# Altium PCB ir-24v-shit5-7-v2.PcbDoc (part 4 of 5) (continued)
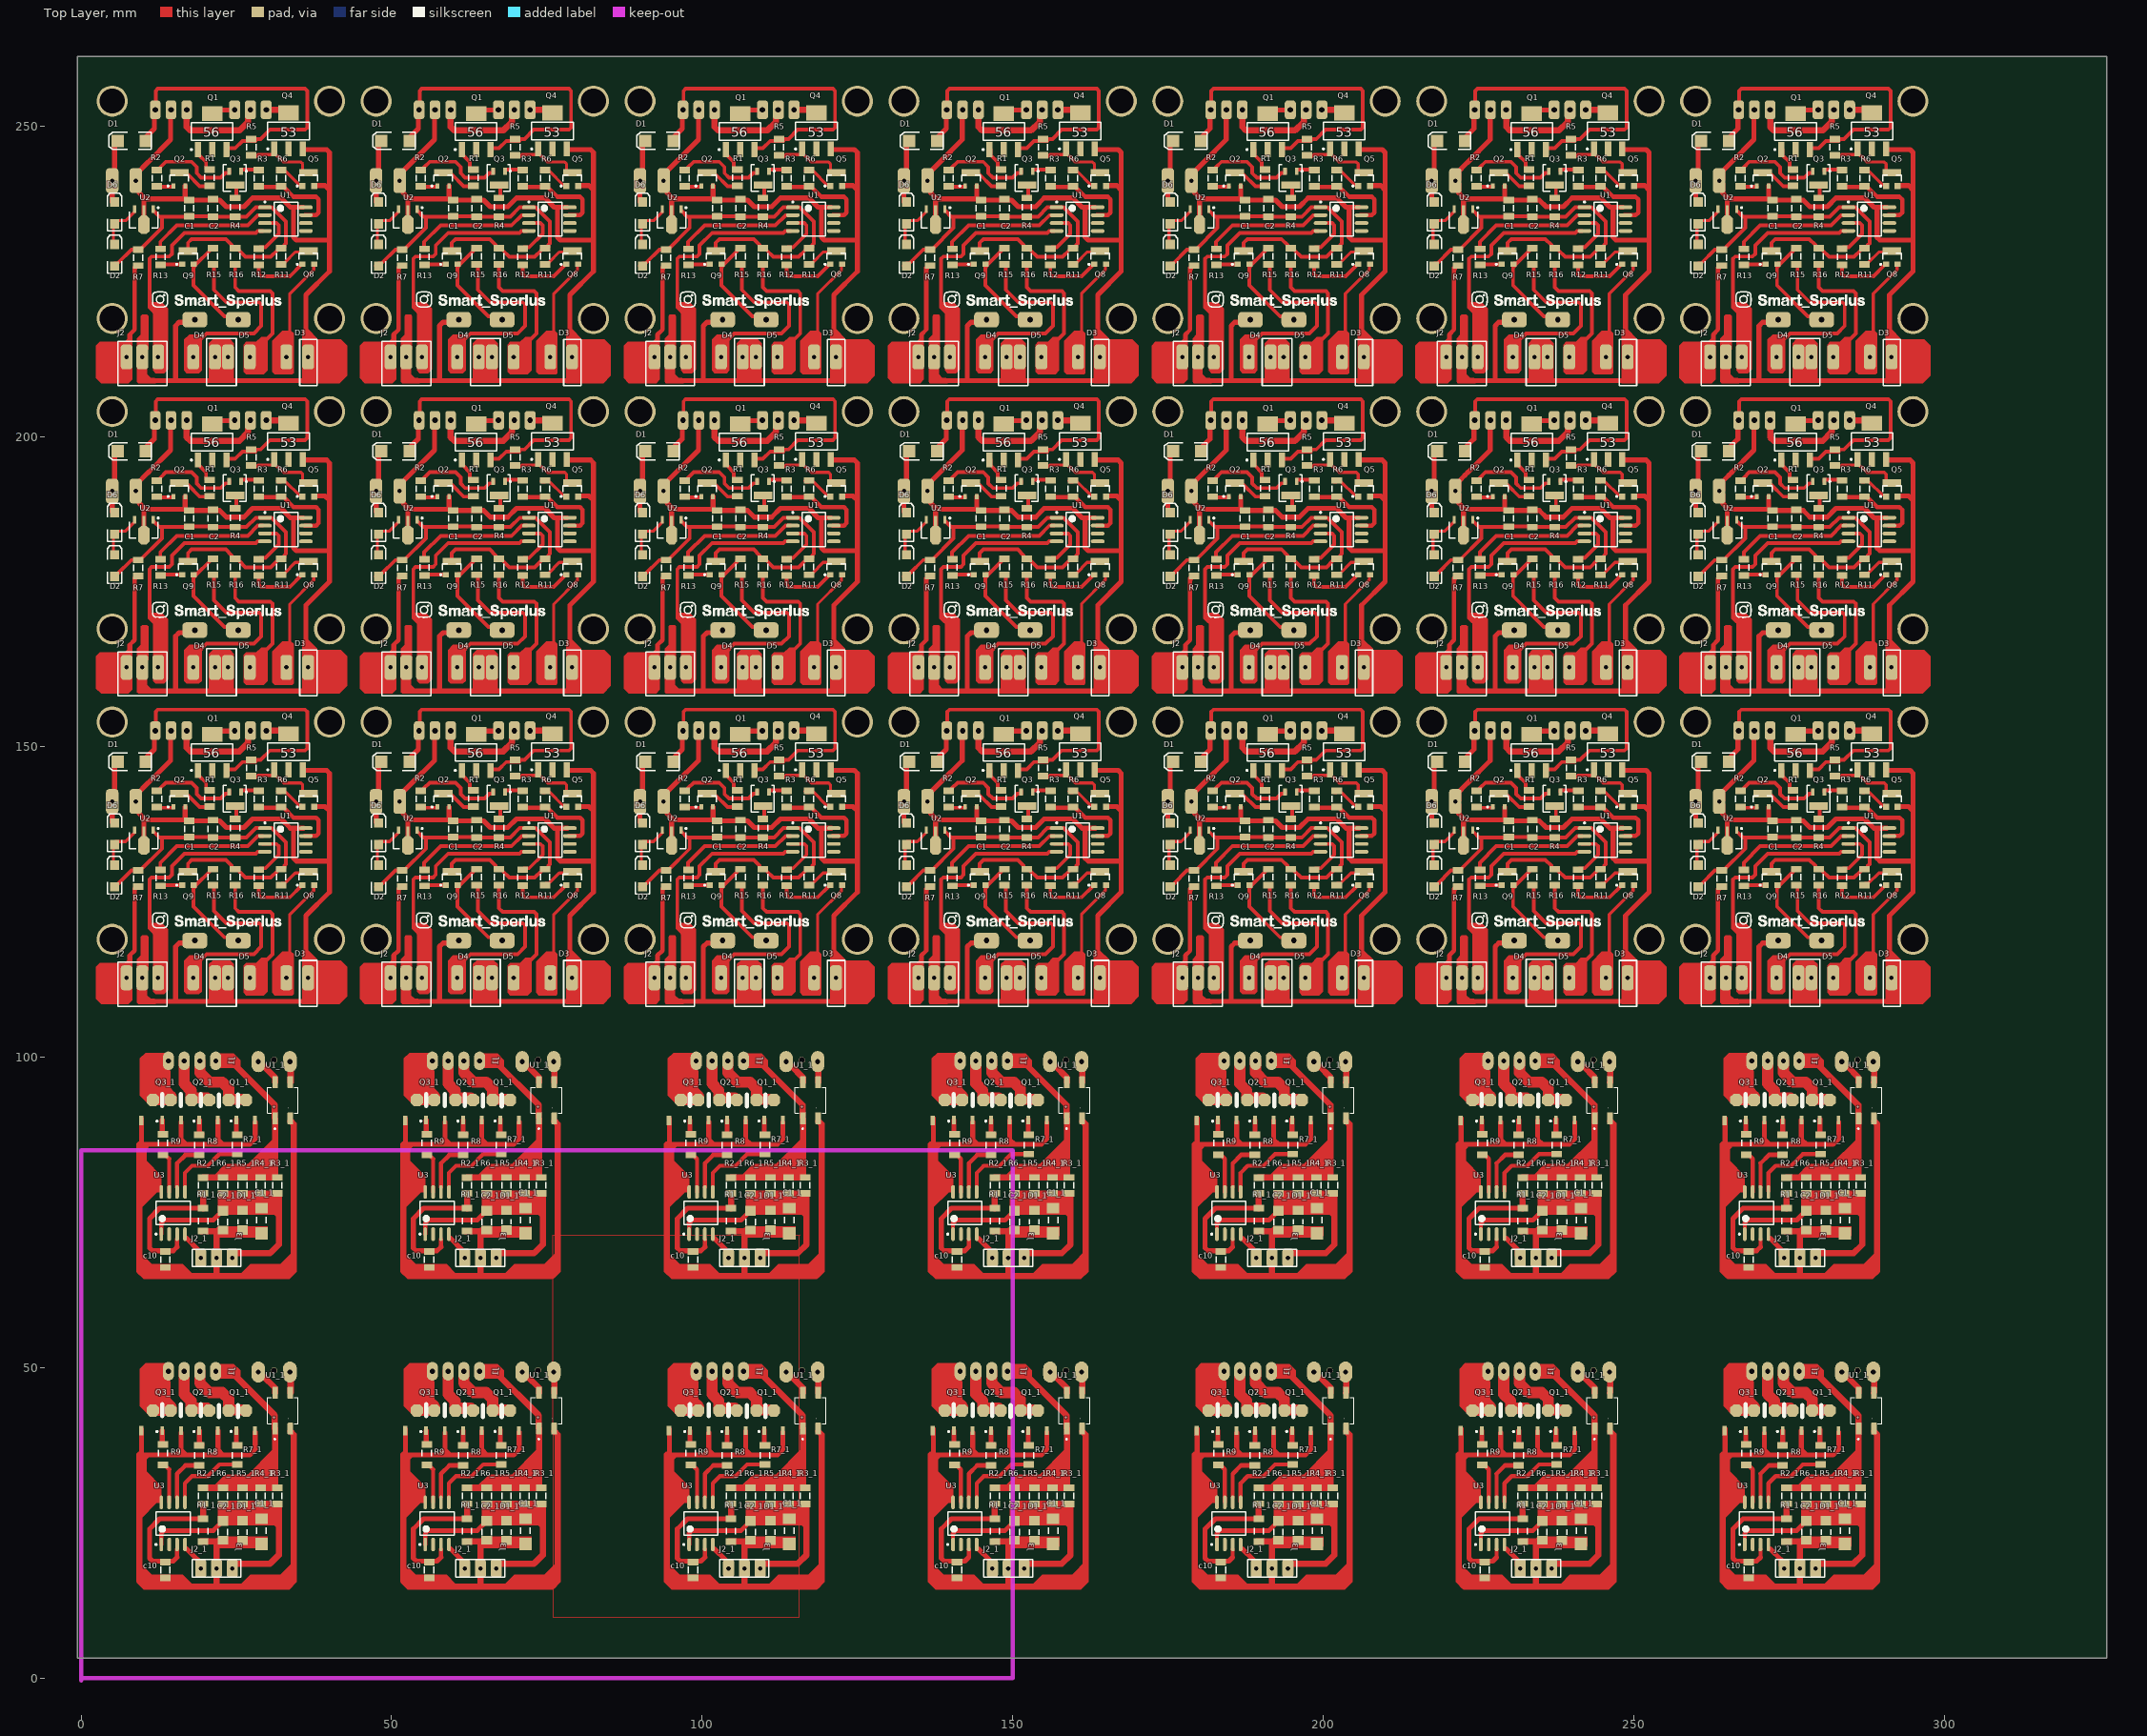
[diagram p0: Top Layer view]
## Nets (pads, with @x,y where several pads share a name; then routed paths per layer and width w, separated by ;. In a path a pad name is that pad's centre, name@x,y a point inside that pad or via, vN(x,y) a via of type N, cw(c..) or ccw(c..) an arc to the next point about the centre after c; other vN are vias at no path point) (continued)
  Top Layer w0.8: 5,137.792 5,141.2 5.4,141.6 5.4,147.15 5.65,147.4 ; 5,187.792 5,191.2 5.4,191.6 5.4,197.15 5.65,197.4 ; 5,237.792 5,241.2 5.4,241.6 5.4,247.15 5.65,247.4 ; 8.8,141.2 9.338,140.662 9.338,139.262 10.2,138.4 ; 8.8,191.2 9.338,190.662 9.338,189.262 10.2,188.4 ; 8.8,241.2 9.338,240.662 9.338,239.262 10.2,238.4 ; 9.2,141.2 9.365,141.365 9.365,142.765 10.35,143.75 10.35,143.752 10.819,144.22 10.82,144.22 14.4,147.8 14.4,152.007 ; 9.2,191.2 9.365,191.365 9.365,192.765 10.35,193.75 10.35,193.752 10.819,194.22 10.82,194.22 14.4,197.8 14.4,202.007 ; 9.2,241.2 9.365,241.365 9.365,242.765 10.35,243.75 10.35,243.752 10.819,244.22 10.82,244.22 14.4,247.8 14.4,252.007 ; 9.352,28.602 12.608,28.602 ; 9.352,35.963 9.733,35.963 ; 9.352,78.602 12.608,78.602 ; 9.352,85.963 9.733,85.963 ; 9.733,40.159 9.733,35.963 ; 9.733,90.159 9.733,85.963 ; 9.86,112 9.86,109.469 10.329,109 15.2,109 ; 9.86,162 9.86,159.469 10.329,159 15.2,159 ; 9.86,212 9.86,209.469 10.329,209 15.2,209 ; 10.1,134.8 10.1,136.4 10.1,138.257 16.888,138.257 ; 10.1,184.8 10.1,186.4 10.1,188.257 16.888,188.257 ; 10.1,234.8 10.1,236.4 10.1,238.257 16.888,238.257 ; 10.2,147.4 10.2,148 11.8,149.6 11.8,152.598 ; 10.2,197.4 10.2,198 11.8,199.6 11.8,202.598 ; 10.2,247.4 10.2,248 11.8,249.6 11.8,252.598 ; 13.059,39.872 13.059,37.744 13.184,37.619 13.423,37.619 ; 13.059,89.872 13.059,87.744 13.184,87.619 13.423,87.619 ; 15.448,19.458 14.813,18.823 11.472,18.823 11.003,19.292 11.003,24.03 12.654,25.681 19.639,25.681 ; 15.448,69.458 14.813,68.823 11.472,68.823 11.003,69.292 11.003,74.03 12.654,75.681 19.639,75.681 ; 16.083,39.572 16.083,36.432 16.552,35.963 ; 16.083,89.572 16.083,86.432 16.552,85.963 ; 16.2,118.4 15.792,118.4 15.2,117.808 15.2,109 ; 16.2,168.4 15.792,168.4 15.2,167.808 15.2,159 ; 16.2,218.4 15.792,218.4 15.2,217.808 15.2,209 ; 16.75,140.325 16.75,138.395 16.888,138.257 ; 16.75,190.325 16.75,188.395 16.888,188.257 ; 16.75,240.325 16.75,238.395 16.888,238.257 ; 16.972,20.855 18.796,19.031 18.796,18.142 19.258,17.68 ; 16.972,70.855 18.796,69.031 18.796,68.142 19.258,67.68 ; 19.028,39.872 19.028,37.744 19.153,37.619 19.441,37.619 ; 19.028,89.872 19.028,87.744 19.153,87.619 19.441,87.619 ; 19.8,138.07 17.4,138.07 17.075,138.07 16.888,138.257 ; 19.8,138.075 22.325,138.075 23.4,137 26.2,137 27.6,138.4 32.2,138.4 33.695,136.905 34.4,136.905 ; 19.8,188.07 17.4,188.07 17.075,188.07 16.888,188.257 ; 19.8,188.075 22.325,188.075 23.4,187 26.2,187 27.6,188.4 32.2,188.4 33.695,186.905 34.4,186.905 ; 19.8,238.07 17.4,238.07 17.075,238.07 16.888,238.257 ; 19.8,238.075 22.325,238.075 23.4,237 26.2,237 27.6,238.4 32.2,238.4 33.695,236.905 34.4,236.905 ; 19.95,152.55 24.57,152.55 24.72,152.4 ; 19.95,202.55 24.57,202.55 24.72,202.4 ; 19.95,252.55 24.57,252.55 24.72,252.4 ; 21.55,113.4 22.6,113.4 ; 21.55,163.4 22.6,163.4 ; 21.55,213.4 22.6,213.4 ; 22.028,39.872 22.028,35.963 ; 22.028,89.872 22.028,85.963 ; 22.306,35.963 22.028,35.963 ; 22.306,35.967 27.131,35.967 28.021,36.857 28.021,39.583 ; 22.306,85.963 22.028,85.963 ; 22.306,85.967 27.131,85.967 28.021,86.857 28.021,89.583 ; 23.65,113.4 22.6,113.4 ; 23.65,163.4 22.6,163.4 ; 23.65,213.4 22.6,213.4 ; 24.997,39.999 24.997,37.617 25.122,37.492 25.163,37.492 ; 24.997,89.999 24.997,87.617 25.122,87.492 25.163,87.492 ; 35.712,146.2 39.531,146.2 40,145.731 40,139.675 ; 35.712,196.2 39.531,196.2 40,195.731 40,189.675 ; 35.712,246.2 39.531,246.2 40,245.731 40,239.675 ; 35.8,136.905 34.4,136.905 ; 35.8,186.905 34.4,186.905 ; 35.8,236.905 34.4,236.905 ; 37.55,140.4 39.275,140.4 40,139.675 ; 37.55,190.4 39.275,190.4 40,189.675 ; 37.55,240.4 39.275,240.4 40,239.675 ; 47.5,137.792 47.5,141.2 47.9,141.6 47.9,147.15 48.15,147.4 ; 47.5,187.792 47.5,191.2 47.9,191.6 47.9,197.15 48.15,197.4 ; 47.5,237.792 47.5,241.2 47.9,241.6 47.9,247.15 48.15,247.4 ; 51.3,141.2 51.838,140.662 51.838,139.262 52.7,138.4 ; 51.3,191.2 51.838,190.662 51.838,189.262 52.7,188.4 ; 51.3,241.2 51.838,240.662 51.838,239.262 52.7,238.4 ; 51.7,141.2 51.865,141.365 51.865,142.765 52.85,143.75 52.85,143.752 53.319,144.22 53.32,144.22 56.9,147.8 56.9,152.007 ; 51.7,191.2 51.865,191.365 51.865,192.765 52.85,193.75 52.85,193.752 53.319,194.22 53.32,194.22 56.9,197.8 56.9,202.007 ; 51.7,241.2 51.865,241.365 51.865,242.765 52.85,243.75 52.85,243.752 53.319,244.22 53.32,244.22 56.9,247.8 56.9,252.007 ; 51.852,28.602 55.108,28.602 ; 51.852,35.963 52.233,35.963 ; 51.852,78.602 55.108,78.602 ; 51.852,85.963 52.233,85.963 ; 52.233,40.159 52.233,35.963 ; 52.233,90.159 52.233,85.963 ; 52.36,112 52.36,109.469 52.829,109 57.7,109 ; 52.36,162 52.36,159.469 52.829,159 57.7,159 ; 52.36,212 52.36,209.469 52.829,209 57.7,209 ; 52.6,134.8 52.6,136.4 52.6,138.257 59.388,138.257 ; 52.6,184.8 52.6,186.4 52.6,188.257 59.388,188.257 ; 52.6,234.8 52.6,236.4 52.6,238.257 59.388,238.257 ; 52.7,147.4 52.7,148 54.3,149.6 54.3,152.598 ; 52.7,197.4 52.7,198 54.3,199.6 54.3,202.598 ; 52.7,247.4 52.7,248 54.3,249.6 54.3,252.598 ; 55.559,39.872 55.559,37.744 55.684,37.619 55.923,37.619 ; 55.559,89.872 55.559,87.744 55.684,87.619 55.923,87.619 ; 57.948,19.458 57.313,18.823 53.972,18.823 53.503,19.292 53.503,24.03 55.154,25.681 62.139,25.681 ; 57.948,69.458 57.313,68.823 53.972,68.823 53.503,69.292 53.503,74.03 55.154,75.681 62.139,75.681 ; 58.583,39.572 58.583,36.432 59.052,35.963 ; 58.583,89.572 58.583,86.432 59.052,85.963 ; 58.7,118.4 58.292,118.4 57.7,117.808 57.7,109 ; 58.7,168.4 58.292,168.4 57.7,167.808 57.7,159 ; 58.7,218.4 58.292,218.4 57.7,217.808 57.7,209 ; 59.25,140.325 59.25,138.395 59.388,138.257 ; 59.25,190.325 59.25,188.395 59.388,188.257 ; 59.25,240.325 59.25,238.395 59.388,238.257 ; 59.472,20.855 61.296,19.031 61.296,18.142 61.758,17.68 ; 59.472,70.855 61.296,69.031 61.296,68.142 61.758,67.68 ; 61.528,39.872 61.528,37.744 61.653,37.619 61.941,37.619 ; 61.528,89.872 61.528,87.744 61.653,87.619 61.941,87.619 ; 62.3,138.07 59.9,138.07 59.575,138.07 59.388,138.257 ; 62.3,138.075 64.825,138.075 65.9,137 68.7,137 70.1,138.4 74.7,138.4 76.195,136.905 76.9,136.905 ; 62.3,188.07 59.9,188.07 59.575,188.07 59.388,188.257 ; 62.3,188.075 64.825,188.075 65.9,187 68.7,187 70.1,188.4 74.7,188.4 76.195,186.905 76.9,186.905 ; 62.3,238.07 59.9,238.07 59.575,238.07 59.388,238.257 ; 62.3,238.075 64.825,238.075 65.9,237 68.7,237 70.1,238.4 74.7,238.4 76.195,236.905 76.9,236.905 ; 62.45,152.55 67.07,152.55 67.22,152.4 ; 62.45,202.55 67.07,202.55 67.22,202.4 ; 62.45,252.55 67.07,252.55 67.22,252.4 ; 64.05,113.4 65.1,113.4 ; 64.05,163.4 65.1,163.4 ; 64.05,213.4 65.1,213.4 ; 64.528,39.872 64.528,35.963 ; 64.528,89.872 64.528,85.963 ; 64.806,35.963 64.528,35.963 ; 64.806,35.967 69.631,35.967 70.521,36.857 70.521,39.583 ; 64.806,85.963 64.528,85.963 ; 64.806,85.967 69.631,85.967 70.521,86.857 70.521,89.583 ; 66.15,113.4 65.1,113.4 ; 66.15,163.4 65.1,163.4 ; 66.15,213.4 65.1,213.4 ; 67.497,39.999 67.497,37.617 67.622,37.492 67.663,37.492 ; 67.497,89.999 67.497,87.617 67.622,87.492 67.663,87.492 ; 78.212,146.2 82.031,146.2 82.5,145.731 82.5,139.675 ; 78.212,196.2 82.031,196.2 82.5,195.731 82.5,189.675 ; 78.212,246.2 82.031,246.2 82.5,245.731 82.5,239.675 ; 78.3,136.905 76.9,136.905 ; 78.3,186.905 76.9,186.905 ; 78.3,236.905 76.9,236.905 ; 80.05,140.4 81.775,140.4 82.5,139.675 ; 80.05,190.4 81.775,190.4 82.5,189.675 ; 80.05,240.4 81.775,240.4 82.5,239.675 ; 90,137.792 90,141.2 90.4,141.6 90.4,147.15 90.65,147.4 ; 90,187.792 90,191.2 90.4,191.6 90.4,197.15 90.65,197.4 ; 90,237.792 90,241.2 90.4,241.6 90.4,247.15 90.65,247.4 ; 93.8,141.2 94.338,140.662 94.338,139.262 95.2,138.4 ; 93.8,191.2 94.338,190.662 94.338,189.262 95.2,188.4 ; 93.8,241.2 94.338,240.662 94.338,239.262 95.2,238.4 ; 94.2,141.2 94.365,141.365 94.365,142.765 95.35,143.75 95.35,143.752 95.819,144.22 95.82,144.22 99.4,147.8 99.4,152.007 ; 94.2,191.2 94.365,191.365 94.365,192.765 95.35,193.75 95.35,193.752 95.819,194.22 95.82,194.22 99.4,197.8 99.4,202.007 ; 94.2,241.2 94.365,241.365 94.365,242.765 95.35,243.75 95.35,243.752 95.819,244.22 95.82,244.22 99.4,247.8 99.4,252.007 ; 94.352,28.602 97.608,28.602 ; 94.352,35.963 94.733,35.963 ; 94.352,78.602 97.608,78.602 ; 94.352,85.963 94.733,85.963 ; 94.733,40.159 94.733,35.963 ; 94.733,90.159 94.733,85.963 ; 94.86,112 94.86,109.469 95.329,109 100.2,109 ; 94.86,162 94.86,159.469 95.329,159 100.2,159 ; 94.86,212 94.86,209.469 95.329,209 100.2,209 ; 95.1,134.8 95.1,136.4 95.1,138.257 101.888,138.257 ; 95.1,184.8 95.1,186.4 95.1,188.257 101.888,188.257 ; 95.1,234.8 95.1,236.4 95.1,238.257 101.888,238.257 ; 95.2,147.4 95.2,148 96.8,149.6 96.8,152.598 ; 95.2,197.4 95.2,198 96.8,199.6 96.8,202.598 ; 95.2,247.4 95.2,248 96.8,249.6 96.8,252.598 ; 98.059,39.872 98.059,37.744 98.184,37.619 98.423,37.619 ; 98.059,89.872 98.059,87.744 98.184,87.619 98.423,87.619 ; 100.448,19.458 99.813,18.823 96.472,18.823 96.003,19.292 96.003,24.03 97.654,25.681 104.639,25.681 ; 100.448,69.458 99.813,68.823 96.472,68.823 96.003,69.292 96.003,74.03 97.654,75.681 104.639,75.681 ; 101.083,39.572 101.083,36.432 101.552,35.963 ; 101.083,89.572 101.083,86.432 101.552,85.963 ; 101.2,118.4 100.792,118.4 100.2,117.808 100.2,109 ; 101.2,168.4 100.792,168.4 100.2,167.808 100.2,159 ; 101.2,218.4 100.792,218.4 100.2,217.808 100.2,209 ; 101.75,140.325 101.75,138.395 101.888,138.257 ; 101.75,190.325 101.75,188.395 101.888,188.257 ; 101.75,240.325 101.75,238.395 101.888,238.257 ; 101.972,20.855 103.796,19.031 103.796,18.142 104.258,17.68 ; 101.972,70.855 103.796,69.031 103.796,68.142 104.258,67.68 ; 104.028,39.872 104.028,37.744 104.153,37.619 104.441,37.619 ; 104.028,89.872 104.028,87.744 104.153,87.619 104.441,87.619 ; 104.8,138.07 102.4,138.07 102.075,138.07 101.888,138.257 ; 104.8,138.075 107.325,138.075 108.4,137 111.2,137 112.6,138.4 117.2,138.4 118.695,136.905 119.4,136.905 ; 104.8,188.07 102.4,188.07 102.075,188.07 101.888,188.257 ; 104.8,188.075 107.325,188.075 108.4,187 111.2,187 112.6,188.4 117.2,188.4 118.695,186.905 119.4,186.905 ; 104.8,238.07 102.4,238.07 102.075,238.07 101.888,238.257 ; 104.8,238.075 107.325,238.075 108.4,237 111.2,237 112.6,238.4 117.2,238.4 118.695,236.905 119.4,236.905 ; 104.95,152.55 109.57,152.55 109.72,152.4 ; 104.95,202.55 109.57,202.55 109.72,202.4 ; 104.95,252.55 109.57,252.55 109.72,252.4 ; 106.55,113.4 107.6,113.4 ; 106.55,163.4 107.6,163.4 ; 106.55,213.4 107.6,213.4 ; 107.028,39.872 107.028,35.963 ; 107.028,89.872 107.028,85.963 ; 107.306,35.963 107.028,35.963 ; 107.306,35.967 112.131,35.967 113.021,36.857 113.021,39.583 ; 107.306,85.963 107.028,85.963 ; 107.306,85.967 112.131,85.967 113.021,86.857 113.021,89.583 ; 108.65,113.4 107.6,113.4 ; 108.65,163.4 107.6,163.4 ; 108.65,213.4 107.6,213.4 ; 109.997,39.999 109.997,37.617 110.122,37.492 110.163,37.492 ; 109.997,89.999 109.997,87.617 110.122,87.492 110.163,87.492 ; 120.712,146.2 124.531,146.2 125,145.731 125,139.675 ; 120.712,196.2 124.531,196.2 125,195.731 125,189.675 ; 120.712,246.2 124.531,246.2 125,245.731 125,239.675 ; 120.8,136.905 119.4,136.905 ; 120.8,186.905 119.4,186.905 ; 120.8,236.905 119.4,236.905 ; 122.55,140.4 124.275,140.4 125,139.675 ; 122.55,190.4 124.275,190.4 125,189.675 ; 122.55,240.4 124.275,240.4 125,239.675 ; 132.5,137.792 132.5,141.2 132.9,141.6 132.9,147.15 133.15,147.4 ; 132.5,187.792 132.5,191.2 132.9,191.6 132.9,197.15 133.15,197.4 ; 132.5,237.792 132.5,241.2 132.9,241.6 132.9,247.15 133.15,247.4 ; 136.3,141.2 136.838,140.662 136.838,139.262 137.7,138.4 ; 136.3,191.2 136.838,190.662 136.838,189.262 137.7,188.4 ; 136.3,241.2 136.838,240.662 136.838,239.262 137.7,238.4 ; 136.7,141.2 136.865,141.365 136.865,142.765 137.85,143.75 137.85,143.752 138.319,144.22 138.32,144.22 141.9,147.8 141.9,152.007 ; 136.7,191.2 136.865,191.365 136.865,192.765 137.85,193.75 137.85,193.752 138.319,194.22 138.32,194.22 141.9,197.8 141.9,202.007 ; 136.7,241.2 136.865,241.365 136.865,242.765 137.85,243.75 137.85,243.752 138.319,244.22 138.32,244.22 141.9,247.8 141.9,252.007 ; 136.852,28.602 140.108,28.602 ; 136.852,35.963 137.233,35.963 ; 136.852,78.602 140.108,78.602 ; 136.852,85.963 137.233,85.963 ; 137.233,40.159 137.233,35.963 ; 137.233,90.159 137.233,85.963 ; 137.36,112 137.36,109.469 137.829,109 142.7,109 ; 137.36,162 137.36,159.469 137.829,159 142.7,159 ; 137.36,212 137.36,209.469 137.829,209 142.7,209 ; 137.6,134.8 137.6,136.4 137.6,138.257 144.388,138.257 ; 137.6,184.8 137.6,186.4 137.6,188.257 144.388,188.257 ; 137.6,234.8 137.6,236.4 137.6,238.257 144.388,238.257 ; 137.7,147.4 137.7,148 139.3,149.6 139.3,152.598 ; 137.7,197.4 137.7,198 139.3,199.6 139.3,202.598 ; 137.7,247.4 137.7,248 139.3,249.6 139.3,252.598 ; 140.559,39.872 140.559,37.744 140.684,37.619 140.923,37.619 ; 140.559,89.872 140.559,87.744 140.684,87.619 140.923,87.619 ; 142.948,19.458 142.313,18.823 138.972,18.823 138.503,19.292 138.503,24.03 140.154,25.681 147.139,25.681 ; 142.948,69.458 142.313,68.823 138.972,68.823 138.503,69.292 138.503,74.03 140.154,75.681 147.139,75.681 ; 143.583,39.572 143.583,36.432 144.052,35.963 ; 143.583,89.572 143.583,86.432 144.052,85.963 ; 143.7,118.4 143.292,118.4 142.7,117.808 142.7,109 ; 143.7,168.4 143.292,168.4 142.7,167.808 142.7,159 ; 143.7,218.4 143.292,218.4 142.7,217.808 142.7,209 ; 144.25,140.325 144.25,138.395 144.388,138.257 ; 144.25,190.325 144.25,188.395 144.388,188.257 ; 144.25,240.325 144.25,238.395 144.388,238.257 ; 144.472,20.855 146.296,19.031 146.296,18.142 146.758,17.68 ; 144.472,70.855 146.296,69.031 146.296,68.142 146.758,67.68 ; 146.528,39.872 146.528,37.744 146.653,37.619 146.941,37.619 ; 146.528,89.872 146.528,87.744 146.653,87.619 146.941,87.619 ; 147.3,138.07 144.9,138.07 144.575,138.07 144.388,138.257 ; 147.3,138.075 149.825,138.075 150.9,137 153.7,137 155.1,138.4 159.7,138.4 161.195,136.905 161.9,136.905 ; 147.3,188.07 144.9,188.07 144.575,188.07 144.388,188.257 ; 147.3,188.075 149.825,188.075 150.9,187 153.7,187 155.1,188.4 159.7,188.4 161.195,186.905 161.9,186.905 ; 147.3,238.07 144.9,238.07 144.575,238.07 144.388,238.257 ; 147.3,238.075 149.825,238.075 150.9,237 153.7,237 155.1,238.4 159.7,238.4 161.195,236.905 161.9,236.905 ; 147.45,152.55 152.07,152.55 152.22,152.4 ; 147.45,202.55 152.07,202.55 152.22,202.4 ; 147.45,252.55 152.07,252.55 152.22,252.4 ; 149.05,113.4 150.1,113.4 ; 149.05,163.4 150.1,163.4 ; 149.05,213.4 150.1,213.4 ; 149.528,39.872 149.528,35.963 ; 149.528,89.872 149.528,85.963 ; 149.806,35.963 149.528,35.963 ; 149.806,35.967 154.631,35.967 155.521,36.857 155.521,39.583 ; 149.806,85.963 149.528,85.963 ; 149.806,85.967 154.631,85.967 155.521,86.857 155.521,89.583 ; 151.15,113.4 150.1,113.4 ; 151.15,163.4 150.1,163.4 ; 151.15,213.4 150.1,213.4 ; 152.497,39.999 152.497,37.617 152.622,37.492 152.664,37.492 ; 152.497,89.999 152.497,87.617 152.622,87.492 152.664,87.492 ; 163.212,146.2 167.031,146.2 167.5,145.731 167.5,139.675 ; 163.212,196.2 167.031,196.2 167.5,195.731 167.5,189.675 ; 163.212,246.2 167.031,246.2 167.5,245.731 167.5,239.675 ; 163.3,136.905 161.9,136.905 ; 163.3,186.905 161.9,186.905 ; 163.3,236.905 161.9,236.905 ; 165.05,140.4 166.775,140.4 167.5,139.675 ; 165.05,190.4 166.775,190.4 167.5,189.675 ; 165.05,240.4 166.775,240.4 167.5,239.675 ; 175,137.792 175,141.2 175.4,141.6 175.4,147.15 175.65,147.4 ; 175,187.792 175,191.2 175.4,191.6 175.4,197.15 175.65,197.4 ; 175,237.792 175,241.2 175.4,241.6 175.4,247.15 175.65,247.4 ; 178.8,141.2 179.338,140.662 179.338,139.262 180.2,138.4 ; 178.8,191.2 179.338,190.662 179.338,189.262 180.2,188.4 ; 178.8,241.2 179.338,240.662 179.338,239.262 180.2,238.4 ; 179.2,141.2 179.365,141.365 179.365,142.765 180.35,143.75 180.35,143.752 180.819,144.22 180.82,144.22 184.4,147.8 184.4,152.007 ; 179.2,191.2 179.365,191.365 179.365,192.765 180.35,193.75 180.35,193.752 180.819,194.22 180.82,194.22 184.4,197.8 184.4,202.007 ; 179.2,241.2 179.365,241.365 179.365,242.765 180.35,243.75 180.35,243.752 180.819,244.22 180.82,244.22 184.4,247.8 184.4,252.007 ; 179.352,28.602 182.608,28.602 ; 179.352,35.963 179.733,35.963 ; 179.352,78.602 182.608,78.602 ; 179.352,85.963 179.733,85.963 ; 179.733,40.159 179.733,35.963 ; 179.733,90.159 179.733,85.963 ; 179.86,112 179.86,109.469 180.329,109 185.2,109 ; 179.86,162 179.86,159.469 180.329,159 185.2,159 ; 179.86,212 179.86,209.469 180.329,209 185.2,209 ; 180.1,134.8 180.1,136.4 180.1,138.257 186.888,138.257 ; 180.1,184.8 180.1,186.4 180.1,188.257 186.888,188.257 ; 180.1,234.8 180.1,236.4 180.1,238.257 186.888,238.257 ; 180.2,147.4 180.2,148 181.8,149.6 181.8,152.598 ; 180.2,197.4 180.2,198 181.8,199.6 181.8,202.598 ; 180.2,247.4 180.2,248 181.8,249.6 181.8,252.598 ; 183.059,39.872 183.059,37.744 183.184,37.619 183.423,37.619 ; 183.059,89.872 183.059,87.744 183.184,87.619 183.423,87.619 ; 185.448,19.458 184.813,18.823 181.472,18.823 181.003,19.292 181.003,24.03 182.654,25.681 189.639,25.681 ; 185.448,69.458 184.813,68.823 181.472,68.823 181.003,69.292 181.003,74.03 182.654,75.681 189.639,75.681 ; 186.083,39.572 186.083,36.432 186.552,35.963 ; 186.083,89.572 186.083,86.432 186.552,85.963 ; 186.2,118.4 185.792,118.4 185.2,117.808 185.2,109 ; 186.2,168.4 185.792,168.4 185.2,167.808 185.2,159 ; 186.2,218.4 185.792,218.4 185.2,217.808 185.2,209 ; 186.75,140.325 186.75,138.395 186.888,138.257 ; 186.75,190.325 186.75,188.395 186.888,188.257 ; 186.75,240.325 186.75,238.395 186.888,238.257 ; 186.972,20.855 188.796,19.031 188.796,18.142 189.258,17.68 ; 186.972,70.855 188.796,69.031 188.796,68.142 189.258,67.68 ; 189.028,39.872 189.028,37.744 189.153,37.619 189.441,37.619 ; 189.028,89.872 189.028,87.744 189.153,87.619 189.441,87.619 ; 189.8,138.07 187.4,138.07 187.075,138.07 186.888,138.257 ; 189.8,138.075 192.325,138.075 193.4,137 196.2,137 197.6,138.4 202.2,138.4 203.695,136.905 204.4,136.905 ; 189.8,188.07 187.4,188.07 187.075,188.07 186.888,188.257 ; 189.8,188.075 192.325,188.075 193.4,187 196.2,187 197.6,188.4 202.2,188.4 203.695,186.905 204.4,186.905 ; 189.8,238.07 187.4,238.07 187.075,238.07 186.888,238.257 ; 189.8,238.075 192.325,238.075 193.4,237 196.2,237 197.6,238.4 202.2,238.4 203.695,236.905 204.4,236.905 ; 189.95,152.55 194.57,152.55 194.72,152.4 ; 189.95,202.55 194.57,202.55 194.72,202.4 ; 189.95,252.55 194.57,252.55 194.72,252.4 ; 191.55,113.4 192.6,113.4 ; 191.55,163.4 192.6,163.4 ; 191.55,213.4 192.6,213.4 ; 192.028,39.872 192.028,35.963 ; 192.028,89.872 192.028,85.963 ; 192.306,35.963 192.028,35.963 ; 192.306,35.967 197.131,35.967 198.021,36.857 198.021,39.583 ; 192.306,85.963 192.028,85.963 ; 192.306,85.967 197.131,85.967 198.021,86.857 198.021,89.583 ; 193.65,113.4 192.6,113.4 ; 193.65,163.4 192.6,163.4 ; 193.65,213.4 192.6,213.4 ; 194.997,39.999 194.997,37.617 195.122,37.492 195.163,37.492 ; 194.997,89.999 194.997,87.617 195.122,87.492 195.163,87.492 ; 205.712,146.2 209.531,146.2 210,145.731 210,139.675 ; 205.712,196.2 209.531,196.2 210,195.731 210,189.675 ; 205.712,246.2 209.531,246.2 210,245.731 210,239.675 ; 205.8,136.905 204.4,136.905 ; 205.8,186.905 204.4,186.905 ; 205.8,236.905 204.4,236.905 ; 207.55,140.4 209.275,140.4 210,139.675 ; 207.55,190.4 209.275,190.4 210,189.675 ; 207.55,240.4 209.275,240.4 210,239.675 ; 217.5,137.792 217.5,141.2 217.9,141.6 217.9,147.15 218.15,147.4 ; 217.5,187.792 217.5,191.2 217.9,191.6 217.9,197.15 218.15,197.4 ; 217.5,237.792 217.5,241.2 217.9,241.6 217.9,247.15 218.15,247.4 ; 221.3,141.2 221.838,140.662 221.838,139.262 222.7,138.4 ; 221.3,191.2 221.838,190.662 221.838,189.262 222.7,188.4 ; 221.3,241.2 221.838,240.662 221.838,239.262 222.7,238.4 ; 221.7,141.2 221.865,141.365 221.865,142.765 222.85,143.75 222.85,143.752 223.319,144.22 223.32,144.22 226.9,147.8 226.9,152.007 ; 221.7,191.2 221.865,191.365 221.865,192.765 222.85,193.75 222.85,193.752 223.319,194.22 223.32,194.22 226.9,197.8 226.9,202.007 ; 221.7,241.2 221.865,241.365 221.865,242.765 222.85,243.75 222.85,243.752 223.319,244.22 223.32,244.22 226.9,247.8 226.9,252.007 ; 221.852,28.602 225.108,28.602 ; 221.852,35.963 222.233,35.963 ; 221.852,78.602 225.108,78.602 ; 221.852,85.963 222.233,85.963 ; 222.233,40.159 222.233,35.963 ; 222.233,90.159 222.233,85.963 ; 222.36,112 222.36,109.469 222.829,109 227.7,109 ; 222.36,162 222.36,159.469 222.829,159 227.7,159 ; 222.36,212 222.36,209.469 222.829,209 227.7,209 ; 222.6,134.8 222.6,136.4 222.6,138.257 229.388,138.257 ; 222.6,184.8 222.6,186.4 222.6,188.257 229.388,188.257 ; 222.6,234.8 222.6,236.4 222.6,238.257 229.388,238.257 ; 222.7,147.4 222.7,148 224.3,149.6 224.3,152.598 ; 222.7,197.4 222.7,198 224.3,199.6 224.3,202.598 ; 222.7,247.4 222.7,248 224.3,249.6 224.3,252.598 ; 225.559,39.872 225.559,37.744 225.684,37.619 225.923,37.619 ; 225.559,89.872 225.559,87.744 225.684,87.619 225.923,87.619 ; 227.948,19.458 227.313,18.823 223.972,18.823 223.503,19.292 223.503,24.03 225.154,25.681 232.139,25.681 ; 227.948,69.458 227.313,68.823 223.972,68.823 223.503,69.292 223.503,74.03 225.154,75.681 232.139,75.681 ; 228.583,39.572 228.583,36.432 229.052,35.963 ; 228.583,89.572 228.583,86.432 229.052,85.963 ; 228.7,118.4 228.292,118.4 227.7,117.808 227.7,109 ; 228.7,168.4 228.292,168.4 227.7,167.808 227.7,159 ; 228.7,218.4 228.292,218.4 227.7,217.808 227.7,209 ; 229.25,140.325 229.25,138.395 229.388,138.257 ; 229.25,190.325 229.25,188.395 229.388,188.257 ; 229.25,240.325 229.25,238.395 229.388,238.257 ; 229.472,20.855 231.296,19.031 231.296,18.142 231.758,17.68 ; 229.472,70.855 231.296,69.031 231.296,68.142 231.758,67.68 ; 231.528,39.872 231.528,37.744 231.653,37.619 231.941,37.619 ; 231.528,89.872 231.528,87.744 231.653,87.619 231.941,87.619 ; 232.3,138.07 229.9,138.07 229.575,138.07 229.388,138.257 ; 232.3,138.075 234.825,138.075 235.9,137 238.7,137 240.1,138.4 244.7,138.4 246.195,136.905 246.9,136.905 ; 232.3,188.07 229.9,188.07 229.575,188.07 229.388,188.257 ; 232.3,188.075 234.825,188.075 235.9,187 238.7,187 240.1,188.4 244.7,188.4 246.195,186.905 246.9,186.905 ; 232.3,238.07 229.9,238.07 229.575,238.07 229.388,238.257 ; 232.3,238.075 234.825,238.075 235.9,237 238.7,237 240.1,238.4 244.7,238.4 246.195,236.905 246.9,236.905 ; 232.45,152.55 237.07,152.55 237.22,152.4 ; 232.45,202.55 237.07,202.55 237.22,202.4 ; 232.45,252.55 237.07,252.55 237.22,252.4 ; 234.05,113.4 235.1,113.4 ; 234.05,163.4 235.1,163.4 ; 234.05,213.4 235.1,213.4 ; 234.528,39.872 234.528,35.963 ; 234.528,89.872 234.528,85.963 ; 234.806,35.963 234.528,35.963 ; 234.806,35.967 239.631,35.967 240.521,36.857 240.521,39.583 ; 234.806,85.963 234.528,85.963 ; 234.806,85.967 239.631,85.967 240.521,86.857 240.521,89.583 ; 236.15,113.4 235.1,113.4 ; 236.15,163.4 235.1,163.4 ; 236.15,213.4 235.1,213.4 ; 237.497,39.999 237.497,37.617 237.622,37.492 237.663,37.492 ; 237.497,89.999 237.497,87.617 237.622,87.492 237.663,87.492 ; 248.212,146.2 252.031,146.2 252.5,145.731 252.5,139.675 ; 248.212,196.2 252.031,196.2 252.5,195.731 252.5,189.675 ; 248.212,246.2 252.031,246.2 252.5,245.731 252.5,239.675 ; 248.3,136.905 246.9,136.905 ; 248.3,186.905 246.9,186.905 ; 248.3,236.905 246.9,236.905 ; 250.05,140.4 251.775,140.4 252.5,139.675 ; 250.05,190.4 251.775,190.4 252.5,189.675 ; 250.05,240.4 251.775,240.4 252.5,239.675 ; 260,137.792 260,141.2 260.4,141.6 260.4,147.15 260.65,147.4 ; 260,187.792 260,191.2 260.4,191.6 260.4,197.15 260.65,197.4 ; 260,237.792 260,241.2 260.4,241.6 260.4,247.15 260.65,247.4 ; 263.8,141.2 264.338,140.662 264.338,139.262 265.2,138.4 ; 263.8,191.2 264.338,190.662 264.338,189.262 265.2,188.4 ; 263.8,241.2 264.338,240.662 264.338,239.262 265.2,238.4 ; 264.2,141.2 264.365,141.365 264.365,142.765 265.35,143.75 265.35,143.752 265.819,144.22 265.82,144.22 269.4,147.8 269.4,152.007 ; 264.2,191.2 264.365,191.365 264.365,192.765 265.35,193.75 265.35,193.752 265.819,194.22 265.82,194.22 269.4,197.8 269.4,202.007 ; 264.2,241.2 264.365,241.365 264.365,242.765 265.35,243.75 265.35,243.752 265.819,244.22 265.82,244.22 269.4,247.8 269.4,252.007 ; 264.352,28.602 267.608,28.602 ; 264.352,35.963 264.733,35.963 ; 264.352,78.602 267.608,78.602 ; 264.352,85.963 264.733,85.963 ; 264.733,40.159 264.733,35.963 ; 264.733,90.159 264.733,85.963 ; 264.86,112 264.86,109.469 265.329,109 270.2,109 ; 264.86,162 264.86,159.469 265.329,159 270.2,159 ; 264.86,212 264.86,209.469 265.329,209 270.2,209 ; 265.1,134.8 265.1,136.4 265.1,138.257 271.888,138.257 ; 265.1,184.8 265.1,186.4 265.1,188.257 271.888,188.257 ; 265.1,234.8 265.1,236.4 265.1,238.257 271.888,238.257 ; 265.2,147.4 265.2,148 266.8,149.6 266.8,152.598 ; 265.2,197.4 265.2,198 266.8,199.6 266.8,202.598 ; 265.2,247.4 265.2,248 266.8,249.6 266.8,252.598 ; 268.059,39.872 268.059,37.744 268.184,37.619 268.423,37.619 ; 268.059,89.872 268.059,87.744 268.184,87.619 268.423,87.619 ; 270.448,19.458 269.813,18.823 266.472,18.823 266.003,19.292 266.003,24.03 267.654,25.681 274.639,25.681 ; 270.448,69.458 269.813,68.823 266.472,68.823 266.003,69.292 266.003,74.03 267.654,75.681 274.639,75.681 ; 271.083,39.572 271.083,36.432 271.552,35.963 ; 271.083,89.572 271.083,86.432 271.552,85.963 ; 271.2,118.4 270.792,118.4 270.2,117.808 270.2,109 ; 271.2,168.4 270.792,168.4 270.2,167.808 270.2,159 ; 271.2,218.4 270.792,218.4 270.2,217.808 270.2,209 ; 271.75,140.325 271.75,138.395 271.888,138.257 ; 271.75,190.325 271.75,188.395 271.888,188.257 ; 271.75,240.325 271.75,238.395 271.888,238.257 ; 271.972,20.855 273.796,19.031 273.796,18.142 274.258,17.68 ; 271.972,70.855 273.796,69.031 273.796,68.142 274.258,67.68 ; 274.028,39.872 274.028,37.744 274.153,37.619 274.441,37.619 ; 274.028,89.872 274.028,87.744 274.153,87.619 274.441,87.619 ; 274.8,138.07 272.4,138.07 272.075,138.07 271.888,138.257 ; 274.8,138.075 277.325,138.075 278.4,137 281.2,137 282.6,138.4 287.2,138.4 288.695,136.905 289.4,136.905 ; 274.8,188.07 272.4,188.07 272.075,188.07 271.888,188.257 ; 274.8,188.075 277.325,188.075 278.4,187 281.2,187 282.6,188.4 287.2,188.4 288.695,186.905 289.4,186.905 ; 274.8,238.07 272.4,238.07 272.075,238.07 271.888,238.257 ; 274.8,238.075 277.325,238.075 278.4,237 281.2,237 282.6,238.4 287.2,238.4 288.695,236.905 289.4,236.905 ; 274.95,152.55 279.57,152.55 279.72,152.4 ; 274.95,202.55 279.57,202.55 279.72,202.4 ; 274.95,252.55 279.57,252.55 279.72,252.4 ; 276.55,113.4 277.6,113.4 ; 276.55,163.4 277.6,163.4 ; 276.55,213.4 277.6,213.4 ; 277.028,39.872 277.028,35.963 ; 277.028,89.872 277.028,85.963 ; 277.306,35.963 277.028,35.963 ; 277.306,35.967 282.131,35.967 283.021,36.857 283.021,39.583 ; 277.306,85.963 277.028,85.963 ; 277.306,85.967 282.131,85.967 283.021,86.857 283.021,89.583 ; 278.65,113.4 277.6,113.4 ; 278.65,163.4 277.6,163.4 ; 278.65,213.4 277.6,213.4 ; 279.997,39.999 279.997,37.617 280.122,37.492 280.164,37.492 ; 279.997,89.999 279.997,87.617 280.122,87.492 280.164,87.492 ; 290.712,146.2 294.531,146.2 295,145.731 295,139.675 ; 290.712,196.2 294.531,196.2 295,195.731 295,189.675 ; 290.712,246.2 294.531,246.2 295,245.731 295,239.675 ; 290.8,136.905 289.4,136.905 ; 290.8,186.905 289.4,186.905 ; 290.8,236.905 289.4,236.905 ; 292.55,140.4 294.275,140.4 295,139.675 ; 292.55,190.4 294.275,190.4 295,189.675 ; 292.55,240.4 294.275,240.4 295,239.675 ; 9.733,35.963 16.552,35.963 ; 9.733,85.963 16.552,85.963 ; 15.2,109 22.6,109 ; 15.2,159 22.6,159 ; 15.2,209 22.6,209 ; 16.552,35.963 20.899,35.963 22.028,35.963 ; 16.552,85.963 20.899,85.963 22.028,85.963 ; 22.6,109 22.6,113.4 ; 22.6,109 36.081,109 36.55,109.469 36.55,112 36.55,114.354 36.2,114.704 36.2,122.8 40,126.6 40,131.6 ; 22.6,159 22.6,163.4 ; 22.6,159 36.081,159 36.55,159.469 36.55,162 36.55,164.354 36.2,164.704 36.2,172.8 40,176.6 40,181.6 ; 22.6,209 22.6,213.4 ; 22.6,209 36.081,209 36.55,209.469 36.55,212 36.55,214.354 36.2,214.704 36.2,222.8 40,226.6 40,231.6 ; 34.4,136.905 34.2,136.705 34.2,132.069 34.669,131.6 40,131.6 ; 34.4,186.905 34.2,186.705 34.2,182.069 34.669,181.6 40,181.6 ; 34.4,236.905 34.2,236.705 34.2,232.069 34.669,231.6 40,231.6 ; 40,131.6 40,139.675 ; 40,181.6 40,189.675 ; 40,231.6 40,239.675 ; 52.233,35.963 59.052,35.963 ; 52.233,85.963 59.052,85.963 ; 57.7,109 65.1,109 ; 57.7,159 65.1,159 ; 57.7,209 65.1,209 ; 59.052,35.963 63.399,35.963 64.528,35.963 ; 59.052,85.963 63.399,85.963 64.528,85.963 ; 65.1,109 65.1,113.4 ; 65.1,109 78.581,109 79.05,109.469 79.05,112 79.05,114.354 78.7,114.704 78.7,122.8 82.5,126.6 82.5,131.6 ; 65.1,159 65.1,163.4 ; 65.1,159 78.581,159 79.05,159.469 79.05,162 79.05,164.354 78.7,164.704 78.7,172.8 82.5,176.6 82.5,181.6 ; 65.1,209 65.1,213.4 ; 65.1,209 78.581,209 79.05,209.469 79.05,212 79.05,214.354 78.7,214.704 78.7,222.8 82.5,226.6 82.5,231.6 ; 76.9,136.905 76.7,136.705 76.7,132.069 77.169,131.6 82.5,131.6 ; 76.9,186.905 76.7,186.705 76.7,182.069 77.169,181.6 82.5,181.6 ; 76.9,236.905 76.7,236.705 76.7,232.069 77.169,231.6 82.5,231.6 ; 82.5,131.6 82.5,139.675 ; 82.5,181.6 82.5,189.675 ; 82.5,231.6 82.5,239.675 ; 94.733,35.963 101.552,35.963 ; 94.733,85.963 101.552,85.963 ; 100.2,109 107.6,109 ; 100.2,159 107.6,159 ; 100.2,209 107.6,209 ; 101.552,35.963 105.899,35.963 107.028,35.963 ; 101.552,85.963 105.899,85.963 107.028,85.963 ; 107.6,109 107.6,113.4 ; 107.6,109 121.081,109 121.55,109.469 121.55,112 121.55,114.354 121.2,114.704 121.2,122.8 125,126.6 125,131.6 ; 107.6,159 107.6,163.4 ; 107.6,159 121.081,159 121.55,159.469 121.55,162 121.55,164.354 121.2,164.704 121.2,172.8 125,176.6 125,181.6 ; 107.6,209 107.6,213.4 ; 107.6,209 121.081,209 121.55,209.469 121.55,212 121.55,214.354 121.2,214.704 121.2,222.8 125,226.6 125,231.6 ; 119.4,136.905 119.2,136.705 119.2,132.069 119.669,131.6 125,131.6 ; 119.4,186.905 119.2,186.705 119.2,182.069 119.669,181.6 125,181.6 ; 119.4,236.905 119.2,236.705 119.2,232.069 119.669,231.6 125,231.6 ; 125,131.6 125,139.675 ; 125,181.6 125,189.675 ; 125,231.6 125,239.675 ; 137.233,35.963 144.052,35.963 ; 137.233,85.963 144.052,85.963 ; 142.7,109 150.1,109 ; 142.7,159 150.1,159 ; 142.7,209 150.1,209 ; 144.052,35.963 148.399,35.963 149.528,35.963 ; 144.052,85.963 148.399,85.963 149.528,85.963 ; 150.1,109 150.1,113.4 ; 150.1,109 163.581,109 164.05,109.469 164.05,112 164.05,114.354 163.7,114.704 163.7,122.8 167.5,126.6 167.5,131.6 ; 150.1,159 150.1,163.4 ; 150.1,159 163.581,159 164.05,159.469 164.05,162 164.05,164.354 163.7,164.704 163.7,172.8 167.5,176.6 167.5,181.6 ; 150.1,209 150.1,213.4 ; 150.1,209 163.581,209 164.05,209.469 164.05,212 164.05,214.354 163.7,214.704 163.7,222.8 167.5,226.6 167.5,231.6 ; 161.9,136.905 161.7,136.705 161.7,132.069 162.169,131.6 167.5,131.6 ; 161.9,186.905 161.7,186.705 161.7,182.069 162.169,181.6 167.5,181.6 ; 161.9,236.905 161.7,236.705 161.7,232.069 162.169,231.6 167.5,231.6 ; 167.5,131.6 167.5,139.675 ; 167.5,181.6 167.5,189.675 ; 167.5,231.6 167.5,239.675 ; 179.733,35.963 186.552,35.963 ; 179.733,85.963 186.552,85.963 ; 185.2,109 192.6,109 ; 185.2,159 192.6,159 ; 185.2,209 192.6,209 ; 186.552,35.963 190.899,35.963 192.028,35.963 ; 186.552,85.963 190.899,85.963 192.028,85.963 ; 192.6,109 192.6,113.4 ; 192.6,109 206.081,109 206.55,109.469 206.55,112 206.55,114.354 206.2,114.704 206.2,122.8 210,126.6 210,131.6 ; 192.6,159 192.6,163.4 ; 192.6,159 206.081,159 206.55,159.469 206.55,162 206.55,164.354 206.2,164.704 206.2,172.8 210,176.6 210,181.6 ; 192.6,209 192.6,213.4 ; 192.6,209 206.081,209 206.55,209.469 206.55,212 206.55,214.354 206.2,214.704 206.2,222.8 210,226.6 210,231.6 ; 204.4,136.905 204.2,136.705 204.2,132.069 204.669,131.6 210,131.6 ; 204.4,186.905 204.2,186.705 204.2,182.069 204.669,181.6 210,181.6 ; 204.4,236.905 204.2,236.705 204.2,232.069 204.669,231.6 210,231.6 ; 210,131.6 210,139.675 ; 210,181.6 210,189.675 ; 210,231.6 210,239.675 ; 222.233,35.963 229.052,35.963 ; 222.233,85.963 229.052,85.963 ; 227.7,109 235.1,109 ; 227.7,159 235.1,159 ; 227.7,209 235.1,209 ; 229.052,35.963 233.399,35.963 234.528,35.963 ; 229.052,85.963 233.399,85.963 234.528,85.963 ; 235.1,109 235.1,113.4 ; 235.1,109 248.581,109 249.05,109.469 249.05,112 249.05,114.354 248.7,114.704 248.7,122.8 252.5,126.6 252.5,131.6 ; 235.1,159 235.1,163.4 ; 235.1,159 248.581,159 249.05,159.469 249.05,162 249.05,164.354 248.7,164.704 248.7,172.8 252.5,176.6 252.5,181.6 ; 235.1,209 235.1,213.4 ; 235.1,209 248.581,209 249.05,209.469 249.05,212 249.05,214.354 248.7,214.704 248.7,222.8 252.5,226.6 252.5,231.6 ; 246.9,136.905 246.7,136.705 246.7,132.069 247.169,131.6 252.5,131.6 ; 246.9,186.905 246.7,186.705 246.7,182.069 247.169,181.6 252.5,181.6 ; 246.9,236.905 246.7,236.705 246.7,232.069 247.169,231.6 252.5,231.6 ; 252.5,131.6 252.5,139.675 ; 252.5,181.6 252.5,189.675 ; 252.5,231.6 252.5,239.675 ; 264.733,35.963 271.552,35.963 ; 264.733,85.963 271.552,85.963 ; 270.2,109 277.6,109 ; 270.2,159 277.6,159 ; 270.2,209 277.6,209 ; 271.552,35.963 275.899,35.963 277.028,35.963 ; 271.552,85.963 275.899,85.963 277.028,85.963 ; 277.6,109 277.6,113.4 ; 277.6,109 291.081,109 291.55,109.469 291.55,112 291.55,114.354 291.2,114.704 291.2,122.8 295,126.6 295,131.6 ; 277.6,159 277.6,163.4 ; 277.6,159 291.081,159 291.55,159.469 291.55,162 291.55,164.354 291.2,164.704 291.2,172.8 295,176.6 295,181.6 ; 277.6,209 277.6,213.4 ; 277.6,209 291.081,209 291.55,209.469 291.55,212 291.55,214.354 291.2,214.704 291.2,222.8 295,226.6 295,231.6 ; 289.4,136.905 289.2,136.705 289.2,132.069 289.669,131.6 295,131.6 ; 289.4,186.905 289.2,186.705 289.2,182.069 289.669,181.6 295,181.6 ; 289.4,236.905 289.2,236.705 289.2,232.069 289.669,231.6 295,231.6 ; 295,131.6 295,139.675 ; 295,181.6 295,189.675 ; 295,231.6 295,239.675